# Allegro board SDHCalFEB.brd (continued)
## Nets (continued)
GEM_OUT_H11: P1.J30 R594.1 R1663.2
GEM_OUT_H12: P1.K30 R595.1 R1706.2
GEM_OUT_H15: P1.L30 R598.1 R1720.2
GEM_OUT_H18: P1.L29 R601.1 R1718.2
GEM_OUT_H21: P1.L28 R604.1 R1687.2
GEM_OUT_H22: P1.L27 R605.1 R1684.2
GEM_OUT_H23: P1.L26 R606.1 R1681.2
GEM_OUT_H24: P1.L25 R607.1 R1703.2
GEM_OUT_H25: P1.M28 R608.1 R1736.2
GEM_OUT_H26: P1.M30 R609.1 R1744.2
GEM_OUT_H27: P1.M27 R610.1 R1732.2
GEM_OUT_H28: P1.M26 R611.1 R1728.2
GEM_OUT_H29: P1.M25 R612.1 R1724.2
GEM_OUT_H31: P1.M29 R614.1 R1740.2
GEM_OUT_H34: P1.N30 R617.1 R1768.2
GEM_OUT_H36: P1.N29 R619.1 R1764.2
GEM_OUT_H37: P1.N25 R620.1 R1748.2
GEM_OUT_H38: P1.N26 R621.1 R1752.2
GEM_OUT_H39: P1.N27 R622.1 R1756.2
GEM_OUT_H40: P1.N28 R623.1 R1760.2
GEM_OUT_H42: P1.P29 R625.1 R1788.2
GEM_OUT_H45: P1.P28 R628.1 R1784.2
GEM_OUT_H47: P1.P25 R630.1 R1772.2
GEM_OUT_H48: P1.P26 R631.1 R1776.2
GEM_OUT_H49: P1.P27 R632.1 R1780.2
GEM_OUT_H50: P1.P30 R633.1 R1792.2
GEM_OUT_H53: P1.Q30 R636.1 R1816.2
GEM_OUT_H54: P1.R30 R637.1 R1840.2
GEM_OUT_H55: P1.R29 R638.1 R1836.2
GEM_OUT_H56: P1.Q29 R639.1 R1812.2
GEM_OUT_H57: P1.R28 R640.1 R1832.2
GEM_OUT_H58: P1.R27 R641.1 R1828.2
GEM_OUT_H59: P1.R26 R642.1 R1824.2
GEM_OUT_H60: P1.R25 R643.1 R1820.2
GEM_OUT_H61: P1.Q25 R644.1 R1796.2
GEM_OUT_H62: P1.Q26 R645.1 R1800.2
GEM_OUT_H63: P1.Q27 R646.1 R1804.2
GEM_OUT_H64: P1.Q28 R647.1 R1808.2
GEM_OUT_I1: P1.T1 R667.1 R1919.2
GEM_OUT_I2: P1.S1 R668.1 R1912.2
GEM_OUT_I3: P1.T2 R669.1 R1957.2
GEM_OUT_I4: P1.S2 R670.1 R1936.2
GEM_OUT_I5: P1.T3 R671.1 R1958.2
GEM_OUT_I6: R672.1 R2168.1
GEM_OUT_I7: P1.T4 R673.1 R1961.2
GEM_OUT_I8: P1.S4 R674.1 R1914.2
GEM_OUT_I9: P1.T5 R675.1 R1965.2
GEM_OUT_I10: P1.S5 R676.1 R1945.2
GEM_OUT_I11: P1.S6 R677.1 R1947.2
GEM_OUT_I12: P1.T6 R678.1 R1926.2
GEM_OUT_I13: P1.S7 R679.1 R1949.2
GEM_OUT_I14: P1.S8 R680.1 R1952.2
GEM_OUT_I15: P1.U6 R681.1 R1996.2
GEM_OUT_I16: P1.T7 R682.1 R1927.2
GEM_OUT_I17: P1.T8 R683.1 R1973.2
GEM_OUT_I18: P1.U5 R684.1 R1992.2
GEM_OUT_I19: P1.U7 R685.1 R2000.2
GEM_OUT_I20: P1.U8 R686.1 R2004.2
GEM_OUT_I21: P1.U4 R687.1 R1988.2
GEM_OUT_I22: P1.U3 R688.1 R1984.2
GEM_OUT_I23: P1.U2 R689.1 R1933.2
GEM_OUT_I24: P1.U1 R690.1 R1974.2
GEM_OUT_I25: P1.V5 R691.1 R2024.2
GEM_OUT_I26: P1.V6 R692.1 R2028.2
GEM_OUT_I27: P1.V3 R693.1 R2016.2
GEM_OUT_I28: P1.V2 R694.1 R2012.2
GEM_OUT_I29: P1.V1 R695.1 R2008.2
GEM_OUT_I30: P1.V7 R696.1 R2032.2
GEM_OUT_I31: P1.V4 R697.1 R2020.2
GEM_OUT_I32: P1.V8 R698.1 R2036.2
GEM_OUT_I33: P1.W8 R699.1 R2068.2
GEM_OUT_I34: P1.W5 R700.1 R2056.2
GEM_OUT_I35: P1.W7 R701.1 R2064.2
GEM_OUT_I36: P1.W4 R702.1 R2052.2
GEM_OUT_I37: P1.W1 R703.1 R2040.2
GEM_OUT_I38: P1.W2 R704.1 R2044.2
GEM_OUT_I39: P1.W3 R705.1 R2048.2
GEM_OUT_I40: P1.W6 R706.1 R2060.2
GEM_OUT_I41: P1.Y8 R707.1 R2100.2
GEM_OUT_I42: P1.Y5 R708.1 R2088.2
GEM_OUT_I43: P1.Z8 R709.1 R2131.2
GEM_OUT_I44: P1.Y7 R710.1 R2096.2
GEM_OUT_I45: P1.Y4 R711.1 R2084.2
GEM_OUT_I46: P1.Z7 R712.1 R2127.2
GEM_OUT_I47: P1.Y1 R713.1 R2072.2
GEM_OUT_I48: P1.Y2 R714.1 R2076.2
GEM_OUT_I49: P1.Y3 R715.1 R2080.2
GEM_OUT_I50: P1.Y6 R716.1 R2092.2
GEM_OUT_I51: P1.AA8 R717.1 R2163.2
GEM_OUT_I52: P1.AA7 R718.1 R2159.2
GEM_OUT_I53: P1.Z6 R719.1 R2123.2
GEM_OUT_I54: P1.AA6 R720.1 R2155.2
GEM_OUT_I55: P1.AA5 R721.1 R2151.2
GEM_OUT_I56: P1.Z5 R722.1 R2119.2
GEM_OUT_I57: P1.AA4 R723.1 R2147.2
GEM_OUT_I58: P1.AA3 R724.1 R2143.2
GEM_OUT_I59: P1.AA2 R725.1 R2139.2
GEM_OUT_I60: P1.AA1 R726.1 R2135.2
GEM_OUT_I61: P1.Z1 R727.1 R2104.2
GEM_OUT_I62: P1.Z2 R728.1 R2107.2
GEM_OUT_I63: P1.Z3 R729.1 R2111.2
GEM_OUT_I64: P1.Z4 R730.1 R2115.2
GEM_OUT_J1: P1.T9 R751.1 R1920.2
GEM_OUT_J2: P1.S9 R752.1 R1913.2
GEM_OUT_J3: P1.T10 R753.1 R1976.2
GEM_OUT_J4: P1.S10 R754.1 R1937.2
GEM_OUT_J5: P1.T11 R755.1 R1959.2
GEM_OUT_J6: R756.1 R2169.1
GEM_OUT_J7: P1.T12 R757.1 R1962.2
GEM_OUT_J8: P1.S12 R758.1 R1924.2
GEM_OUT_J9: P1.T13 R759.1 R1966.2
GEM_OUT_J10: P1.S13 R760.1 R1915.2
GEM_OUT_J11: P1.S14 R761.1 R1975.2
GEM_OUT_J12: P1.T14 R762.1 R1969.2
GEM_OUT_J13: P1.S15 R763.1 R1950.2
GEM_OUT_J14: P1.S16 R764.1 R1953.2
GEM_OUT_J15: P1.U14 R765.1 R1997.2
GEM_OUT_J16: P1.T15 R766.1 R1928.2
GEM_OUT_J17: P1.T16 R767.1 R1930.2
GEM_OUT_J18: P1.U13 R768.1 R1993.2
GEM_OUT_J19: P1.U15 R769.1 R2001.2
GEM_OUT_J20: P1.U16 R770.1 R2005.2
GEM_OUT_J21: P1.U12 R771.1 R1989.2
GEM_OUT_J22: P1.U11 R772.1 R1985.2
GEM_OUT_J23: P1.U10 R773.1 R1981.2
GEM_OUT_J24: P1.U9 R774.1 R1978.2
GEM_OUT_J25: P1.V13 R775.1 R2025.2
GEM_OUT_J26: P1.V14 R776.1 R2029.2
GEM_OUT_J27: P1.V11 R777.1 R2017.2
GEM_OUT_J28: P1.V10 R778.1 R2013.2
GEM_OUT_J29: P1.V9 R779.1 R2009.2
GEM_OUT_J30: P1.V15 R780.1 R2033.2
GEM_OUT_J31: P1.V12 R781.1 R2021.2
GEM_OUT_J32: P1.V16 R782.1 R2037.2
GEM_OUT_J33: P1.W16 R783.1 R2069.2
GEM_OUT_J34: P1.W13 R784.1 R2057.2
GEM_OUT_J35: P1.W15 R785.1 R2065.2
GEM_OUT_J36: P1.W12 R786.1 R2053.2
GEM_OUT_J37: P1.W9 R787.1 R2041.2
GEM_OUT_J38: P1.W10 R788.1 R2045.2
GEM_OUT_J39: P1.W11 R789.1 R2049.2
GEM_OUT_J40: P1.W14 R790.1 R2061.2
GEM_OUT_J41: P1.Y16 R791.1 R2101.2
GEM_OUT_J42: P1.Y13 R792.1 R2089.2
GEM_OUT_J43: P1.Z16 R793.1 R2132.2
GEM_OUT_J44: P1.Y15 R794.1 R2097.2
GEM_OUT_J45: P1.Y12 R795.1 R2085.2
GEM_OUT_J46: P1.Z15 R796.1 R2128.2
GEM_OUT_J47: P1.Y9 R797.1 R2073.2
GEM_OUT_J48: P1.Y10 R798.1 R2077.2
GEM_OUT_J49: P1.Y11 R799.1 R2081.2
GEM_OUT_J50: P1.Y14 R800.1 R2093.2
GEM_OUT_J51: P1.AA16 R801.1 R2164.2
GEM_OUT_J52: P1.AA15 R802.1 R2160.2
GEM_OUT_J53: P1.Z14 R803.1 R2124.2
GEM_OUT_J54: P1.AA14 R804.1 R2156.2
GEM_OUT_J55: P1.AA13 R805.1 R2152.2
GEM_OUT_J56: P1.Z13 R806.1 R2120.2
GEM_OUT_J57: P1.AA12 R807.1 R2148.2
GEM_OUT_J58: P1.AA11 R808.1 R2144.2
GEM_OUT_J59: P1.AA10 R809.1 R2140.2
GEM_OUT_J60: P1.AA9 R810.1 R2136.2
GEM_OUT_J61: P1.Z9 R811.1 R2105.2
GEM_OUT_J62: P1.Z10 R812.1 R2108.2
GEM_OUT_J63: P1.Z11 R813.1 R2112.2
GEM_OUT_J64: P1.Z12 R814.1 R2116.2
GEM_OUT_K1: P1.T17 R834.1 R1956.2
GEM_OUT_K2: P1.S17 R835.1 R1934.2
GEM_OUT_K3: P1.T18 R836.1 R1922.2
GEM_OUT_K4: P1.S18 R837.1 R1938.2
GEM_OUT_K5: P1.T19 R838.1 R1923.2
GEM_OUT_K6: R839.1 R2170.1
GEM_OUT_K7: P1.T20 R840.1 R1963.2
GEM_OUT_K8: P1.S20 R841.1 R1944.2
GEM_OUT_K9: P1.T21 R842.1 R1967.2
GEM_OUT_K10: P1.S21 R843.1 R1946.2
GEM_OUT_K11: P1.S22 R844.1 R1917.2
GEM_OUT_K12: P1.T22 R845.1 R1970.2
GEM_OUT_K13: P1.S23 R846.1 R1918.2
GEM_OUT_K14: P1.S24 R847.1 R1954.2
GEM_OUT_K15: P1.U22 R848.1 R1998.2
GEM_OUT_K16: P1.T23 R849.1 R1972.2
GEM_OUT_K17: P1.T24 R850.1 R1931.2
GEM_OUT_K18: P1.U21 R851.1 R1994.2
GEM_OUT_K19: P1.U23 R852.1 R2002.2
GEM_OUT_K20: P1.U24 R853.1 R2006.2
GEM_OUT_K21: P1.U20 R854.1 R1990.2
GEM_OUT_K22: P1.U19 R855.1 R1986.2
GEM_OUT_K23: P1.U18 R856.1 R1982.2
GEM_OUT_K24: P1.U17 R857.1 R1979.2
GEM_OUT_K25: P1.V21 R858.1 R2026.2
GEM_OUT_K26: P1.V22 R859.1 R2030.2
GEM_OUT_K27: P1.V19 R860.1 R2018.2
GEM_OUT_K28: P1.V18 R861.1 R2014.2
GEM_OUT_K29: P1.V17 R862.1 R2010.2
GEM_OUT_K30: P1.V23 R863.1 R2034.2
GEM_OUT_K31: P1.V20 R864.1 R2022.2
GEM_OUT_K32: P1.V24 R865.1 R2038.2
GEM_OUT_K33: P1.W24 R866.1 R2070.2
GEM_OUT_K34: P1.W21 R867.1 R2058.2
GEM_OUT_K35: P1.W23 R868.1 R2066.2
GEM_OUT_K36: P1.W20 R869.1 R2054.2
GEM_OUT_K37: P1.W17 R870.1 R2042.2
GEM_OUT_K38: P1.W18 R871.1 R2046.2
GEM_OUT_K39: P1.W19 R872.1 R2050.2
GEM_OUT_K40: P1.W22 R873.1 R2062.2
GEM_OUT_K41: P1.Y24 R874.1 R2102.2
GEM_OUT_K42: P1.Y21 R875.1 R2090.2
GEM_OUT_K43: P1.Z24 R876.1 R2133.2
GEM_OUT_K44: P1.Y23 R877.1 R2098.2
GEM_OUT_K45: P1.Y20 R878.1 R2086.2
GEM_OUT_K46: P1.Z23 R879.1 R2129.2
GEM_OUT_K47: P1.Y17 R880.1 R2074.2
GEM_OUT_K48: P1.Y18 R881.1 R2078.2
GEM_OUT_K49: P1.Y19 R882.1 R2082.2
GEM_OUT_K50: P1.Y22 R883.1 R2094.2
GEM_OUT_K51: P1.AA24 R884.1 R2165.2
GEM_OUT_K52: P1.AA23 R885.1 R2161.2
GEM_OUT_K53: P1.Z22 R886.1 R2125.2
GEM_OUT_K54: P1.AA22 R887.1 R2157.2
GEM_OUT_K55: P1.AA21 R888.1 R2153.2
GEM_OUT_K56: P1.Z21 R889.1 R2121.2
GEM_OUT_K57: P1.AA20 R890.1 R2149.2
GEM_OUT_K58: P1.AA19 R891.1 R2145.2
GEM_OUT_K59: P1.AA18 R892.1 R2141.2
GEM_OUT_K60: P1.AA17 R893.1 R2137.2
GEM_OUT_K61: P1.Z17 R894.1 R2106.2
GEM_OUT_K62: P1.Z18 R895.1 R2109.2
GEM_OUT_K63: P1.Z19 R896.1 R2113.2
GEM_OUT_K64: P1.Z20 R897.1 R2117.2
GEM_OUT_L1: P1.T25 R917.1 R1951.2
GEM_OUT_L2: P1.S25 R918.1 R1935.2
GEM_OUT_L3: P1.T26 R919.1 R1955.2
GEM_OUT_L4: P1.S26 R920.1 R1939.2
GEM_OUT_L5: P1.T27 R921.1 R1921.2
GEM_OUT_L6: R922.1 R2171.1
GEM_OUT_L7: P1.T28 R923.1 R1977.2
GEM_OUT_L8: P1.S28 R924.1 R1925.2
GEM_OUT_L9: P1.T29 R925.1 R1960.2
GEM_OUT_L10: P1.S29 R926.1 R1916.2
GEM_OUT_L11: P1.S30 R927.1 R1948.2
GEM_OUT_L12: P1.T30 R928.1 R1964.2
GEM_OUT_L15: P1.U30 R931.1 R1983.2
GEM_OUT_L18: P1.U29 R934.1 R1980.2
GEM_OUT_L21: P1.U28 R937.1 R1932.2
GEM_OUT_L22: P1.U27 R938.1 R1929.2
GEM_OUT_L23: P1.U26 R939.1 R1971.2
GEM_OUT_L24: P1.U25 R940.1 R1968.2
GEM_OUT_L25: P1.V28 R941.1 R1999.2
GEM_OUT_L26: P1.V30 R942.1 R2007.2
GEM_OUT_L27: P1.V27 R943.1 R1995.2
GEM_OUT_L28: P1.V26 R944.1 R1991.2
GEM_OUT_L29: P1.V25 R945.1 R1987.2
GEM_OUT_L31: P1.V29 R947.1 R2003.2
GEM_OUT_L34: P1.W30 R950.1 R2031.2
GEM_OUT_L36: P1.W29 R952.1 R2027.2
GEM_OUT_L37: P1.W25 R953.1 R2011.2
GEM_OUT_L38: P1.W26 R954.1 R2015.2
GEM_OUT_L39: P1.W27 R955.1 R2019.2
GEM_OUT_L40: P1.W28 R956.1 R2023.2
GEM_OUT_L42: P1.Y29 R958.1 R2051.2
GEM_OUT_L45: P1.Y28 R961.1 R2047.2
GEM_OUT_L47: P1.Y25 R963.1 R2035.2
GEM_OUT_L48: P1.Y26 R964.1 R2039.2
GEM_OUT_L49: P1.Y27 R965.1 R2043.2
GEM_OUT_L50: P1.Y30 R966.1 R2055.2
GEM_OUT_L53: P1.Z30 R969.1 R2079.2
GEM_OUT_L54: P1.AA30 R970.1 R2103.2
GEM_OUT_L55: P1.AA29 R971.1 R2099.2
GEM_OUT_L56: P1.Z29 R972.1 R2075.2
GEM_OUT_L57: P1.AA28 R973.1 R2095.2
GEM_OUT_L58: P1.AA27 R974.1 R2091.2
GEM_OUT_L59: P1.AA26 R975.1 R2087.2
GEM_OUT_L60: P1.AA25 R976.1 R2083.2
GEM_OUT_L61: P1.Z25 R977.1 R2059.2
GEM_OUT_L62: P1.Z26 R978.1 R2063.2
GEM_OUT_L63: P1.Z27 R979.1 R2067.2
GEM_OUT_L64: P1.Z28 R980.1 R2071.2
GEM_OUT_M1: P1.AC1 R1000.1 R2206.2
GEM_OUT_M2: P1.AB1 R1001.1 R2176.2
GEM_OUT_M3: P1.AC2 R1002.1 R2208.2
GEM_OUT_M4: P1.AB2 R1003.1 R2225.2
GEM_OUT_M5: P1.AC3 R1004.1 R2209.2
GEM_OUT_M6: P1.AB3 R1005.1 R2181.2
GEM_OUT_M7: P1.AC4 R1006.1 R2221.2
GEM_OUT_M8: P1.AB4 R1007.1 R2183.2
GEM_OUT_M9: P1.AC5 R1008.1 R2223.2
GEM_OUT_M10: P1.AB5 R1009.1 R2185.2
GEM_OUT_M11: P1.AB6 R1010.1 R2186.2
GEM_OUT_M12: P1.AC6 R1011.1 R2224.2
GEM_OUT_M13: P1.AB7 R1012.1 R2194.2
GEM_OUT_M14: P1.AB8 R1013.1 R2218.2
GEM_OUT_M15: P1.AD6 R1014.1 R2260.2
GEM_OUT_M16: P1.AC7 R1015.1 R2232.2
GEM_OUT_M17: P1.AC8 R1016.1 R2236.2
GEM_OUT_M18: P1.AD5 R1017.1 R2256.2
GEM_OUT_M19: P1.AD7 R1018.1 R2264.2
GEM_OUT_M20: P1.AD8 R1019.1 R2268.2
GEM_OUT_M21: P1.AD4 R1020.1 R2252.2
GEM_OUT_M22: P1.AD3 R1021.1 R2248.2
GEM_OUT_M23: P1.AD2 R1022.1 R2244.2
GEM_OUT_M24: P1.AD1 R1023.1 R2240.2
GEM_OUT_M25: P1.AE5 R1024.1 R2288.2
GEM_OUT_M26: P1.AE6 R1025.1 R2292.2
GEM_OUT_M27: P1.AE3 R1026.1 R2280.2
GEM_OUT_M28: P1.AE2 R1027.1 R2276.2
GEM_OUT_M29: P1.AE1 R1028.1 R2272.2
GEM_OUT_M30: P1.AE7 R1029.1 R2296.2
GEM_OUT_M31: P1.AE4 R1030.1 R2284.2
GEM_OUT_M32: P1.AE8 R1031.1 R2300.2
GEM_OUT_M33: P1.AF8 R1032.1 R2330.2
GEM_OUT_M35: P1.AF7 R1034.1 R2326.2
GEM_OUT_M40: P1.AF6 R1039.1 R2323.2
GEM_OUT_M41: P1.AG8 R1040.1 R2362.2
GEM_OUT_M44: P1.AG7 R1043.1 R2358.2
GEM_OUT_M50: P1.AG6 R1049.1 R2354.2
GEM_OUT_M51: P1.AF5 R1050.1 R2320.2
GEM_OUT_M52: P1.AG5 R1051.1 R2350.2
GEM_OUT_M53: R1052.1 R2484.1
GEM_OUT_M54: P1.AG4 R1053.1 R2346.2
GEM_OUT_M55: P1.AF3 R1054.1 R2312.2
GEM_OUT_M56: P1.AG3 R1055.1 R2342.2
GEM_OUT_M57: P1.AG1 R1056.1 R2334.2
GEM_OUT_M58: P1.AF1 R1057.1 R2304.2
GEM_OUT_M59: P1.AG2 R1058.1 R2338.2
GEM_OUT_M60: P1.AF2 R1059.1 R2308.2
GEM_OUT_N1: P1.AC9 R1084.1 R2196.2
GEM_OUT_N2: P1.AB9 R1085.1 R2177.2
GEM_OUT_N3: P1.AC10 R1086.1 R2197.2
GEM_OUT_N4: P1.AB10 R1087.1 R2213.2
GEM_OUT_N5: P1.AC11 R1088.1 R2198.2
GEM_OUT_N6: P1.AB11 R1089.1 R2214.2
GEM_OUT_N7: P1.AC12 R1090.1 R2210.2
GEM_OUT_N8: P1.AB12 R1091.1 R2226.2
GEM_OUT_N9: P1.AC13 R1092.1 R2211.2
GEM_OUT_N10: P1.AB13 R1093.1 R2227.2
GEM_OUT_N11: P1.AB14 R1094.1 R2228.2
GEM_OUT_N12: P1.AC14 R1095.1 R2212.2
GEM_OUT_N13: P1.AB15 R1096.1 R2187.2
GEM_OUT_N14: P1.AB16 R1097.1 R2204.2
GEM_OUT_N15: P1.AD14 R1098.1 R2261.2
GEM_OUT_N16: P1.AC15 R1099.1 R2233.2
GEM_OUT_N17: P1.AC16 R1100.1 R2237.2
GEM_OUT_N18: P1.AD13 R1101.1 R2257.2
GEM_OUT_N19: P1.AD15 R1102.1 R2265.2
GEM_OUT_N20: P1.AD16 R1103.1 R2269.2
GEM_OUT_N21: P1.AD12 R1104.1 R2253.2
GEM_OUT_N22: P1.AD11 R1105.1 R2249.2
GEM_OUT_N23: P1.AD10 R1106.1 R2245.2
GEM_OUT_N24: P1.AD9 R1107.1 R2241.2
GEM_OUT_N25: P1.AE13 R1108.1 R2289.2
GEM_OUT_N26: P1.AE14 R1109.1 R2293.2
GEM_OUT_N27: P1.AE11 R1110.1 R2281.2
GEM_OUT_N28: P1.AE10 R1111.1 R2277.2
GEM_OUT_N29: P1.AE9 R1112.1 R2273.2
GEM_OUT_N30: P1.AE15 R1113.1 R2297.2
GEM_OUT_N31: P1.AE12 R1114.1 R2285.2
GEM_OUT_N32: P1.AE16 R1115.1 R2301.2
GEM_OUT_N33: P1.AF16 R1116.1 R2331.2
GEM_OUT_N35: P1.AF15 R1118.1 R2327.2
GEM_OUT_N40: P1.AF14 R1123.1 R2324.2
GEM_OUT_N41: P1.AG16 R1124.1 R2363.2
GEM_OUT_N44: P1.AG15 R1127.1 R2359.2
GEM_OUT_N50: P1.AG14 R1133.1 R2355.2
GEM_OUT_N51: P1.AF13 R1134.1 R2321.2
GEM_OUT_N52: P1.AG13 R1135.1 R2351.2
GEM_OUT_N53: R1136.1 R2476.1
GEM_OUT_N54: P1.AG12 R1137.1 R2347.2
GEM_OUT_N55: P1.AF11 R1138.1 R2313.2
GEM_OUT_N56: P1.AG11 R1139.1 R2343.2
GEM_OUT_N57: P1.AG9 R1140.1 R2335.2
GEM_OUT_N58: P1.AF9 R1141.1 R2305.2
GEM_OUT_N59: P1.AG10 R1142.1 R2339.2
GEM_OUT_N60: P1.AF10 R1143.1 R2309.2
GEM_OUT_O1: P1.AC17 R1167.1 R2188.2
GEM_OUT_O2: P1.AB17 R1168.1 R2178.2
GEM_OUT_O3: P1.AC18 R1169.1 R2189.2
GEM_OUT_O4: P1.AB18 R1170.1 R2191.2
GEM_OUT_O5: P1.AC19 R1171.1 R2190.2
GEM_OUT_O6: P1.AB19 R1172.1 R2202.2
GEM_OUT_O7: P1.AC20 R1173.1 R2199.2
GEM_OUT_O8: P1.AB20 R1174.1 R2203.2
GEM_OUT_O9: P1.AC21 R1175.1 R2200.2
GEM_OUT_O10: P1.AB21 R1176.1 R2215.2
GEM_OUT_O11: P1.AB22 R1177.1 R2216.2
GEM_OUT_O12: P1.AC22 R1178.1 R2201.2
GEM_OUT_O13: P1.AB23 R1179.1 R2217.2
GEM_OUT_O14: P1.AB24 R1180.1 R2205.2
GEM_OUT_O15: P1.AD22 R1181.1 R2262.2
GEM_OUT_O16: P1.AC23 R1182.1 R2234.2
GEM_OUT_O17: P1.AC24 R1183.1 R2238.2
GEM_OUT_O18: P1.AD21 R1184.1 R2258.2
GEM_OUT_O19: P1.AD23 R1185.1 R2266.2
GEM_OUT_O20: P1.AD24 R1186.1 R2270.2
GEM_OUT_O21: P1.AD20 R1187.1 R2254.2
GEM_OUT_O22: P1.AD19 R1188.1 R2250.2
GEM_OUT_O23: P1.AD18 R1189.1 R2246.2
GEM_OUT_O24: P1.AD17 R1190.1 R2242.2
GEM_OUT_O25: P1.AE21 R1191.1 R2290.2
GEM_OUT_O26: P1.AE22 R1192.1 R2294.2
GEM_OUT_O27: P1.AE19 R1193.1 R2282.2
GEM_OUT_O28: P1.AE18 R1194.1 R2278.2
GEM_OUT_O29: P1.AE17 R1195.1 R2274.2
GEM_OUT_O30: P1.AE23 R1196.1 R2298.2
GEM_OUT_O31: P1.AE20 R1197.1 R2286.2
GEM_OUT_O32: P1.AE24 R1198.1 R2302.2
GEM_OUT_O33: P1.AF24 R1199.1 R2332.2
GEM_OUT_O35: P1.AF23 R1201.1 R2328.2
GEM_OUT_O40: P1.AF22 R1206.1 R2325.2
GEM_OUT_O41: P1.AG24 R1207.1 R2364.2
GEM_OUT_O44: P1.AG23 R1210.1 R2360.2
GEM_OUT_O50: P1.AG22 R1216.1 R2356.2
GEM_OUT_O51: P1.AF21 R1217.1 R2322.2
GEM_OUT_O52: P1.AG21 R1218.1 R2352.2
GEM_OUT_O53: R1219.1 R2477.1
GEM_OUT_O54: P1.AG20 R1220.1 R2348.2
GEM_OUT_O55: P1.AF19 R1221.1 R2314.2
GEM_OUT_O56: P1.AG19 R1222.1 R2344.2
GEM_OUT_O57: P1.AG17 R1223.1 R2336.2
GEM_OUT_O58: P1.AF17 R1224.1 R2306.2
GEM_OUT_O59: P1.AG18 R1225.1 R2340.2
GEM_OUT_O60: P1.AF18 R1226.1 R2310.2
GEM_OUT_P1: P1.AC25 R1250.1 R2195.2
GEM_OUT_P2: P1.AB25 R1251.1 R2179.2
GEM_OUT_P3: P1.AC26 R1252.1 R2229.2
GEM_OUT_P4: P1.AB26 R1253.1 R2180.2
GEM_OUT_P5: P1.AC27 R1254.1 R2207.2
GEM_OUT_P6: P1.AB27 R1255.1 R2182.2
GEM_OUT_P7: P1.AC28 R1256.1 R2219.2
GEM_OUT_P8: P1.AB28 R1257.1 R2184.2
GEM_OUT_P9: P1.AC29 R1258.1 R2220.2
GEM_OUT_P10: P1.AB29 R1259.1 R2192.2
GEM_OUT_P11: P1.AB30 R1260.1 R2193.2
GEM_OUT_P12: P1.AC30 R1261.1 R2222.2
GEM_OUT_P15: P1.AD30 R1264.1 R2247.2
GEM_OUT_P18: P1.AD29 R1267.1 R2243.2
GEM_OUT_P21: P1.AD28 R1270.1 R2239.2
GEM_OUT_P22: P1.AD27 R1271.1 R2235.2
GEM_OUT_P23: P1.AD26 R1272.1 R2231.2
GEM_OUT_P24: P1.AD25 R1273.1 R2230.2
GEM_OUT_P25: P1.AE28 R1274.1 R2263.2
GEM_OUT_P26: P1.AE30 R1275.1 R2271.2
GEM_OUT_P27: P1.AE27 R1276.1 R2259.2
GEM_OUT_P28: P1.AE26 R1277.1 R2255.2
GEM_OUT_P29: P1.AE25 R1278.1 R2251.2
GEM_OUT_P31: P1.AE29 R1280.1 R2267.2
GEM_OUT_P35: P1.AF30 R1284.1 R2295.2
GEM_OUT_P50: P1.AG30 R1299.1 R2319.2
GEM_OUT_P51: P1.AF29 R1300.1 R2291.2
GEM_OUT_P52: P1.AG29 R1301.1 R2315.2
GEM_OUT_P53: R1302.1 R2595.1
GEM_OUT_P54: P1.AG28 R1303.1 R2311.2
GEM_OUT_P55: P1.AF27 R1304.1 R2283.2
GEM_OUT_P56: P1.AG27 R1305.1 R2307.2
GEM_OUT_P57: P1.AG25 R1306.1 R2299.2
GEM_OUT_P58: P1.AF25 R1307.1 R2275.2
GEM_OUT_P59: P1.AG26 R1308.1 R2303.2
GEM_OUT_P60: P1.AF26 R1309.1 R2279.2
GEM_SIGNAL_A15: P1.A15 R1437.2 R1641.2 R1645.2
GEM_SIGNAL_A23: P1.A23 R1409.2 R1642.2 R1646.2
GEM_SIGNAL_AF4: P1.AF4 R2316.2 R2484.2 R2485.2
GEM_SIGNAL_AF12: P1.AF12 R2317.2 R2476.2 R2480.2
GEM_SIGNAL_AF20: P1.AF20 R2318.2 R2477.2 R2481.2
GEM_SIGNAL_AF28: P1.AF28 R2287.2 R2595.2 R2596.2
GEM_SIGNAL_B4: P1.B4 R1444.2 R1640.2 R1644.2
GEM_SIGNAL_D28: P1.D28 R1476.2 R1643.2 R1647.2
GEM_SIGNAL_J2: P1.J2 R1649.2 R1904.2 R1908.2
GEM_SIGNAL_J10: P1.J10 R1653.2 R1905.2 R1909.2
GEM_SIGNAL_J18: P1.J18 R1710.2 R1906.2 R1910.2
GEM_SIGNAL_J26: P1.J26 R1692.2 R1907.2 R1911.2
GEM_SIGNAL_S3: P1.S3 R1940.2 R2168.2 R2172.2
GEM_SIGNAL_S11: P1.S11 R1941.2 R2169.2 R2173.2
GEM_SIGNAL_S19: P1.S19 R1942.2 R2170.2 R2174.2
GEM_SIGNAL_S27: P1.S27 R1943.2 R2171.2 R2175.2
GEM_TEST_A: J40.1 R1644.1
GEM_TEST_B: J41.1 R1645.1
GEM_TEST_C: J42.1 R1646.1
GEM_TEST_D: J43.1 R1647.1
GEM_TEST_E: J44.1 R1908.1
GEM_TEST_F: J45.1 R1909.1
GEM_TEST_G: J46.1 R1910.1
GEM_TEST_H: J47.1 R1911.1
GEM_TEST_I: J48.1 R2172.1
GEM_TEST_J: J49.1 R2173.1
GEM_TEST_K: J50.1 R2174.1
GEM_TEST_L: J51.1 R2175.1
GEM_TEST_M: J52.1 R2485.1
GEM_TEST_N: J53.1 R2480.1
GEM_TEST_O: J54.1 R2481.1
HOLD: J34.B26 U1050.20(A4) U1050.21(A3) U1050.22(A2) U1050.23(A1)
HOLD_A: U65.119(HOLD) U130.119(HOLD) U195.119(HOLD) U260.119(HOLD) U1050.1(Y1)
HOLD_B: U325.119(HOLD) U390.119(HOLD) U455.119(HOLD) U520.119(HOLD) U1050.2(Y2)
HOLD_C: U585.119(HOLD) U650.119(HOLD) U715.119(HOLD) U780.119(HOLD) U1050.3(Y3)
HOLD_D: U845.119(HOLD) U910.119(HOLD) U975.119(HOLD) U1040.119(HOLD) U1050.4(Y4)
IBI_PA_ASIC_A1: C70.2 U65.136(IBI_PA)
IBI_PA_ASIC_A2: C157.2 U130.136(IBI_PA)
IBI_PA_ASIC_A3: C244.2 U195.136(IBI_PA)
IBI_PA_ASIC_A4: C331.2 U260.136(IBI_PA)
IBI_PA_ASIC_B1: C418.2 U325.136(IBI_PA)
IBI_PA_ASIC_B5: C505.2 U390.136(IBI_PA)
IBI_PA_ASIC_B6: C592.2 U455.136(IBI_PA)
IBI_PA_ASIC_B7: C679.2 U520.136(IBI_PA)
IBI_PA_ASIC_C1: C766.2 U585.136(IBI_PA)
IBI_PA_ASIC_C2: C853.2 U650.136(IBI_PA)
IBI_PA_ASIC_C3: C940.2 U715.136(IBI_PA)
IBI_PA_ASIC_C4: C1027.2 U780.136(IBI_PA)
IBI_PA_ASIC_D1: C1114.2 U845.136(IBI_PA)
IBI_PA_ASIC_D2: C1201.2 U910.136(IBI_PA)
IBI_PA_ASIC_D3: C1288.2 U975.136(IBI_PA)
IBI_PA_ASIC_D4: C1375.2 U1040.136(IBI_PA)
IREF_DAC_ASIC_A1: R67.1 U65.73(IREF_DAC)
IREF_DAC_ASIC_A2: R151.1 U130.73(IREF_DAC)
IREF_DAC_ASIC_A3: R234.1 U195.73(IREF_DAC)
IREF_DAC_ASIC_A4: R317.1 U260.73(IREF_DAC)
IREF_DAC_ASIC_B1: R400.1 U325.73(IREF_DAC)
IREF_DAC_ASIC_B5: R484.1 U390.73(IREF_DAC)
IREF_DAC_ASIC_B6: R567.1 U455.73(IREF_DAC)
IREF_DAC_ASIC_B7: R650.1 U520.73(IREF_DAC)
IREF_DAC_ASIC_C1: R733.1 U585.73(IREF_DAC)
IREF_DAC_ASIC_C2: R817.1 U650.73(IREF_DAC)
IREF_DAC_ASIC_C3: R900.1 U715.73(IREF_DAC)
IREF_DAC_ASIC_C4: R983.1 U780.73(IREF_DAC)
IREF_DAC_ASIC_D1: R1066.1 U845.73(IREF_DAC)
IREF_DAC_ASIC_D2: R1150.1 U910.73(IREF_DAC)
IREF_DAC_ASIC_D3: R1233.1 U975.73(IREF_DAC)
IREF_DAC_ASIC_D4: R1316.1 U1040.73(IREF_DAC)
N271553_ASIC_A1: R65.2 R66.2 U65.146(IN<0>)
N271553_ASIC_A2: R149.2 R150.2 U130.146(IN<0>)
N271553_ASIC_A3: R232.2 R233.2 U195.146(IN<0>)
N271553_ASIC_A4: R315.2 R316.2 U260.146(IN<0>)
N271553_ASIC_B1: R398.2 R399.2 U325.146(IN<0>)
N271553_ASIC_B5: R482.2 R483.2 U390.146(IN<0>)
N271553_ASIC_B6: R565.2 R566.2 U455.146(IN<0>)
N271553_ASIC_B7: R648.2 R649.2 U520.146(IN<0>)
N271553_ASIC_C1: R731.2 R732.2 U585.146(IN<0>)
N271553_ASIC_C2: R815.2 R816.2 U650.146(IN<0>)
N271553_ASIC_C3: R898.2 R899.2 U715.146(IN<0>)
N271553_ASIC_C4: R981.2 R982.2 U780.146(IN<0>)
N271553_ASIC_D1: R1064.2 R1065.2 U845.146(IN<0>)
N271553_ASIC_D2: R1148.2 R1149.2 U910.146(IN<0>)
N271553_ASIC_D3: R1231.2 R1232.2 U975.146(IN<0>)
N271553_ASIC_D4: R1314.2 R1315.2 U1040.146(IN<0>)
N271605_ASIC_A1: C65.2 R66.1
N271605_ASIC_A2: C152.2 R150.1
N271605_ASIC_A3: C239.2 R233.1
N271605_ASIC_A4: C326.2 R316.1
N271605_ASIC_B1: C413.2 R399.1
N271605_ASIC_B5: C500.2 R483.1
N271605_ASIC_B6: C587.2 R566.1
N271605_ASIC_B7: C674.2 R649.1
N271605_ASIC_C1: C761.2 R732.1
N271605_ASIC_C2: C848.2 R816.1
N271605_ASIC_C3: C936.2 R899.1
N271605_ASIC_C4: C1023.2 R982.1
N271605_ASIC_D1: C1110.2 R1065.1
N271605_ASIC_D2: C1196.2 R1149.1
N271605_ASIC_D3: C1283.2 R1232.1
N271605_ASIC_D4: C1370.2 R1315.1
N360973_ASIC_A1: C65.1 C66.2
N360973_ASIC_A2: C152.1 C153.2
N360973_ASIC_A3: C239.1 C240.2
N360973_ASIC_A4: C326.1 C327.2
N360973_ASIC_B1: C413.1 C414.2
N360973_ASIC_B5: C500.1 C501.2
N360973_ASIC_B6: C587.1 C588.2
N360973_ASIC_B7: C674.1 C675.2
N360973_ASIC_C1: C761.1 C762.2
N360973_ASIC_C2: C848.1 C849.2
N360973_ASIC_C3: C935.2 C936.1
N360973_ASIC_C4: C1022.2 C1023.1
N360973_ASIC_D1: C1109.2 C1110.1
N360973_ASIC_D2: C1196.1 C1197.2
N360973_ASIC_D3: C1283.1 C1284.2
N360973_ASIC_D4: C1370.1 C1371.2
OUT_SH_A1: J36.1 U65.128(OUT_SH)
OUT_SH_A2: J37.1 U130.128(OUT_SH)
OUT_SH_A3: J38.1 U195.128(OUT_SH)
OUT_SH_A4: J39.1 U260.128(OUT_SH)
OUT_SH_B1: J59.1 U325.128(OUT_SH)
OUT_SH_B2: J60.1 U390.128(OUT_SH)
OUT_SH_B3: J62.1 U455.128(OUT_SH)
OUT_SH_B4: J63.1 U520.128(OUT_SH)
OUT_SH_C1: J61.1 U585.128(OUT_SH)
OUT_SH_C2: J64.1 U650.128(OUT_SH)
OUT_SH_C3: J65.1 U715.128(OUT_SH)
OUT_SH_C4: J66.1 U780.128(OUT_SH)
OUT_SH_D1: J67.1 U845.128(OUT_SH)
OUT_SH_D2: J56.1 U910.128(OUT_SH)
OUT_SH_D3: J57.1 U975.128(OUT_SH)
OUT_SH_D4: J58.1 U1040.128(OUT_SH)
OUT_T&H: J35.A23 U1073.8(D)
OUT_T&H_A: U1058.8(D) U1073.2(S1)
OUT_T&H_A1: U65.129(OUT_T&H) U1078.3(+IN)
OUT_T&H_A2: U130.129(OUT_T&H) U1078.5(+IN)
OUT_T&H_A3: U195.129(OUT_T&H) U1078.10(+IN)
OUT_T&H_A4: U260.129(OUT_T&H) U1078.12(+IN)
OUT_T&H_B: U1062.8(D) U1073.9(S2)
OUT_T&H_B1: U325.129(OUT_T&H) U1079.3(+IN)
OUT_T&H_B2: U390.129(OUT_T&H) U1079.5(+IN)
OUT_T&H_B3: U455.129(OUT_T&H) U1079.10(+IN)
OUT_T&H_B4: U520.129(OUT_T&H) U1079.12(+IN)
OUT_T&H_C: U1065.8(D) U1073.4(S3)
OUT_T&H_C1: U585.129(OUT_T&H) U1080.3(+IN)
OUT_T&H_C2: U650.129(OUT_T&H) U1080.5(+IN)
OUT_T&H_C3: U715.129(OUT_T&H) U1080.10(+IN)
OUT_T&H_C4: U780.129(OUT_T&H) U1080.12(+IN)
OUT_T&H_D: U1069.8(D) U1073.7(S4)
OUT_T&H_D1: U845.129(OUT_T&H) U1081.3(+IN)
OUT_T&H_D2: U910.129(OUT_T&H) U1081.5(+IN)
OUT_T&H_D3: U975.129(OUT_T&H) U1081.10(+IN)
OUT_T&H_D4: U1040.129(OUT_T&H) U1081.12(+IN)
OUT_TRIG0B: J35.A31 U1061.8(D)
OUT_TRIG0B_A: R79.2 U65.85(OUT_TRIG0B) U130.85(OUT_TRIG0B) U195.85(OUT_TRIG0B) U260.85(OUT_TRIG0B) U1060.1(1A) U1061.4(S1)
OUT_TRIG0B_A&B: U1060.3(1Y) U1061.12(S5) U1082.1(1A)
OUT_TRIG0B_A&B&C&D: U1061.9(S8) U1082.3(1Y)
OUT_TRIG0B_B: R412.2 U325.85(OUT_TRIG0B) U390.85(OUT_TRIG0B) U455.85(OUT_TRIG0B) U520.85(OUT_TRIG0B) U1060.2(1B) U1060.4(2A) U1061.5(S2)
OUT_TRIG0B_B&C: U1060.6(2Y) U1061.11(S6)
OUT_TRIG0B_C: R745.2 U585.85(OUT_TRIG0B) U650.85(OUT_TRIG0B) U715.85(OUT_TRIG0B) U780.85(OUT_TRIG0B) U1060.5(2B) U1060.9(3A) U1061.6(S3)
OUT_TRIG0B_C&D: U1060.8(3Y) U1061.10(S7) U1082.2(1B)
OUT_TRIG0B_D: R1078.2 U845.85(OUT_TRIG0B) U910.85(OUT_TRIG0B) U975.85(OUT_TRIG0B) U1040.85(OUT_TRIG0B) U1060.10(3B) U1061.7(S4)
OUT_TRIG1B: J35.B32 U1067.8(D)
OUT_TRIG1B_A: R78.1 U65.84(OUT_TRIG1B) U130.84(OUT_TRIG1B) U195.84(OUT_TRIG1B) U260.84(OUT_TRIG1B) U1064.1(1A) U1067.4(S1)
OUT_TRIG1B_A&B: U1064.3(1Y) U1067.12(S5) U1082.4(2A)
OUT_TRIG1B_A&B&C&D: U1067.9(S8) U1082.6(2Y)
OUT_TRIG1B_B: R411.1 U325.84(OUT_TRIG1B) U390.84(OUT_TRIG1B) U455.84(OUT_TRIG1B) U520.84(OUT_TRIG1B) U1064.2(1B) U1064.4(2A) U1067.5(S2)
OUT_TRIG1B_B&C: U1064.6(2Y) U1067.11(S6)
OUT_TRIG1B_C: R744.1 U585.84(OUT_TRIG1B) U650.84(OUT_TRIG1B) U715.84(OUT_TRIG1B) U780.84(OUT_TRIG1B) U1064.5(2B) U1064.9(3A) U1067.6(S3)
OUT_TRIG1B_C&D: U1064.8(3Y) U1067.10(S7) U1082.5(2B)
OUT_TRIG1B_D: R1077.1 U845.84(OUT_TRIG1B) U910.84(OUT_TRIG1B) U975.84(OUT_TRIG1B) U1040.84(OUT_TRIG1B) U1064.10(3B) U1067.7(S4)
OUT_TRIG2B: J35.A33 U1071.8(D)
OUT_TRIG2B_A: R77.2 U65.83(OUT_TRIG2B) U130.83(OUT_TRIG2B) U195.83(OUT_TRIG2B) U260.83(OUT_TRIG2B) U1068.1(1A) U1071.4(S1)
OUT_TRIG2B_A&B: U1068.3(1Y) U1071.12(S5) U1082.10(3B)
OUT_TRIG2B_A&B&C&D: U1071.9(S8) U1082.8(3Y)
OUT_TRIG2B_B: R410.2 U325.83(OUT_TRIG2B) U390.83(OUT_TRIG2B) U455.83(OUT_TRIG2B) U520.83(OUT_TRIG2B) U1068.2(1B) U1068.4(2A) U1071.5(S2)
OUT_TRIG2B_B&C: U1068.6(2Y) U1071.11(S6)
OUT_TRIG2B_C: R743.2 U585.83(OUT_TRIG2B) U650.83(OUT_TRIG2B) U715.83(OUT_TRIG2B) U780.83(OUT_TRIG2B) U1068.5(2B) U1068.9(3A) U1071.6(S3)
OUT_TRIG2B_C&D: U1068.8(3Y) U1071.10(S7) U1082.9(3A)
OUT_TRIG2B_D: R1076.2 U845.83(OUT_TRIG2B) U910.83(OUT_TRIG2B) U975.83(OUT_TRIG2B) U1040.83(OUT_TRIG2B) U1068.10(3B) U1071.7(S4)
PWR_ON_A: J33.B36 U1052.14(A4) U1052.15(A3) U1052.16(A2) U1052.17(A1)
PWR_ON_A_A: U65.89(PWR_ON_A) U130.89(PWR_ON_A) U195.89(PWR_ON_A) U260.89(PWR_ON_A) U1052.9(Y1)
PWR_ON_A_B: U325.89(PWR_ON_A) U390.89(PWR_ON_A) U455.89(PWR_ON_A) U520.89(PWR_ON_A) U1052.10(Y2)
PWR_ON_A_C: U585.89(PWR_ON_A) U650.89(PWR_ON_A) U715.89(PWR_ON_A) U780.89(PWR_ON_A) U1052.11(Y3)
PWR_ON_A_D: U845.89(PWR_ON_A) U910.89(PWR_ON_A) U975.89(PWR_ON_A) U1040.89(PWR_ON_A) U1052.12(Y4)
PWR_ON_ADC: J33.A35 U1053.20(A4) U1053.21(A3) U1053.22(A2) U1053.23(A1)
PWR_ON_ADC_A: U65.88(PWR_ON_ADC) U130.88(PWR_ON_ADC) U195.88(PWR_ON_ADC) U260.88(PWR_ON_ADC) U1053.1(Y1)
PWR_ON_ADC_B: U325.88(PWR_ON_ADC) U390.88(PWR_ON_ADC) U455.88(PWR_ON_ADC) U520.88(PWR_ON_ADC) U1053.2(Y2)
PWR_ON_ADC_C: U585.88(PWR_ON_ADC) U650.88(PWR_ON_ADC) U715.88(PWR_ON_ADC) U780.88(PWR_ON_ADC) U1053.3(Y3)
PWR_ON_ADC_D: U845.88(PWR_ON_ADC) U910.88(PWR_ON_ADC) U975.88(PWR_ON_ADC) U1040.88(PWR_ON_ADC) U1053.4(Y4)
PWR_ON_D: J33.A37 U1052.20(A4) U1052.21(A3) U1052.22(A2) U1052.23(A1)
PWR_ON_D_A: U65.90(PWR_ON_D) U130.90(PWR_ON_D) U195.90(PWR_ON_D) U260.90(PWR_ON_D) U1052.1(Y1)
PWR_ON_D_B: U325.90(PWR_ON_D) U390.90(PWR_ON_D) U455.90(PWR_ON_D) U520.90(PWR_ON_D) U1052.2(Y2)
PWR_ON_D_C: U585.90(PWR_ON_D) U650.90(PWR_ON_D) U715.90(PWR_ON_D) U780.90(PWR_ON_D) U1052.3(Y3)
PWR_ON_D_D: U845.90(PWR_ON_D) U910.90(PWR_ON_D) U975.90(PWR_ON_D) U1040.90(PWR_ON_D) U1052.4(Y4)
PWR_ON_DAC: J33.B34 U1053.14(A4) U1053.15(A3) U1053.16(A2) U1053.17(A1)
PWR_ON_DAC_A: U65.87(PWR_ON_DAC) U130.87(PWR_ON_DAC) U195.87(PWR_ON_DAC) U260.87(PWR_ON_DAC) U1053.9(Y1)
PWR_ON_DAC_B: U325.87(PWR_ON_DAC) U390.87(PWR_ON_DAC) U455.87(PWR_ON_DAC) U520.87(PWR_ON_DAC) U1053.10(Y2)
PWR_ON_DAC_C: U585.87(PWR_ON_DAC) U650.87(PWR_ON_DAC) U715.87(PWR_ON_DAC) U780.87(PWR_ON_DAC) U1053.11(Y3)
PWR_ON_DAC_D: U845.87(PWR_ON_DAC) U910.87(PWR_ON_DAC) U975.87(PWR_ON_DAC) U1040.87(PWR_ON_DAC) U1053.12(Y4)
RAZ_CHNN: J34.A4 U1056.7(DI-)
RAZ_CHNN_A: R323.2 R2603.1 U65.96(RAZ_CHNN) U130.96(RAZ_CHNN) U195.96(RAZ_CHNN) U260.96(RAZ_CHNN)
RAZ_CHNN_B: R656.2 R2611.1 U325.96(RAZ_CHNN) U390.96(RAZ_CHNN) U455.96(RAZ_CHNN) U520.96(RAZ_CHNN)
RAZ_CHNN_C: R989.2 R2619.1 U585.96(RAZ_CHNN) U650.96(RAZ_CHNN) U715.96(RAZ_CHNN) U780.96(RAZ_CHNN)
RAZ_CHNN_D: R1322.2 R2627.1 U845.96(RAZ_CHNN) U910.96(RAZ_CHNN) U975.96(RAZ_CHNN) U1040.96(RAZ_CHNN)
RAZ_CHNP: J34.A3 U1056.6(DI+)
RAZ_CHNP_A: R323.1 R2604.1 U65.95(RAZ_CHNP) U130.95(RAZ_CHNP) U195.95(RAZ_CHNP) U260.95(RAZ_CHNP)
RAZ_CHNP_B: R656.1 R2612.1 U325.95(RAZ_CHNP) U390.95(RAZ_CHNP) U455.95(RAZ_CHNP) U520.95(RAZ_CHNP)
RAZ_CHNP_C: R989.1 R2620.1 U585.95(RAZ_CHNP) U650.95(RAZ_CHNP) U715.95(RAZ_CHNP) U780.95(RAZ_CHNP)
RAZ_CHNP_D: R1322.1 R2628.1 U845.95(RAZ_CHNP) U910.95(RAZ_CHNP) U975.95(RAZ_CHNP) U1040.95(RAZ_CHNP)
READOUT1_A1TOA2: TP4.1 TP14.1 U65.112(END_READOUT1) U130.110(START_READOUT1)
READOUT1_A2TOA3: TP15.1 TP23.1 U130.112(END_READOUT1) U195.110(START_READOUT1)
READOUT1_A3TOA4: TP24.1 TP34.1 U195.112(END_READOUT1) U260.110(START_READOUT1)
READOUT1_B1TOB2: TP46.1 TP56.1 U325.112(END_READOUT1) U390.110(START_READOUT1)
READOUT1_B2TOB3: TP57.1 TP67.1 U390.112(END_READOUT1) U455.110(START_READOUT1)
READOUT1_B3TOB4: TP68.1 TP78.1 U455.112(END_READOUT1) U520.110(START_READOUT1)
READOUT1_C1TOC2: TP90.1 TP100.1 U585.112(END_READOUT1) U650.110(START_READOUT1)
READOUT1_C2TOC3: TP101.1 TP111.1 U650.112(END_READOUT1) U715.110(START_READOUT1)
READOUT1_C3TOC4: TP112.1 TP124.1 U715.112(END_READOUT1) U780.110(START_READOUT1)
READOUT1_D1TOD2: TP136.1 TP144.1 U845.112(END_READOUT1) U910.110(START_READOUT1)
READOUT1_D2TOD3: TP145.1 TP155.1 U910.112(END_READOUT1) U975.110(START_READOUT1)
READOUT1_D3TOD4: TP156.1 TP168.1 U975.112(END_READOUT1) U1040.110(START_READOUT1)
READOUT2_A1TOA2: U65.113(END_READOUT2) U130.111(START_READOUT2)
READOUT2_A2TOA3: U130.113(END_READOUT2) U195.111(START_READOUT2)
READOUT2_A3TOA4: U195.113(END_READOUT2) U260.111(START_READOUT2)
READOUT2_B1TOB2: U325.113(END_READOUT2) U390.111(START_READOUT2)
READOUT2_B2TOB3: U390.113(END_READOUT2) U455.111(START_READOUT2)
READOUT2_B3TOB4: U455.113(END_READOUT2) U520.111(START_READOUT2)
READOUT2_C1TOC2: U585.113(END_READOUT2) U650.111(START_READOUT2)
READOUT2_C2TOC3: U650.113(END_READOUT2) U715.111(START_READOUT2)
READOUT2_C3TOC4: U715.113(END_READOUT2) U780.111(START_READOUT2)
READOUT2_D1TOD2: U845.113(END_READOUT2) U910.111(START_READOUT2)
READOUT2_D2TOD3: U910.113(END_READOUT2) U975.111(START_READOUT2)
READOUT2_D3TOD4: U975.113(END_READOUT2) U1040.111(START_READOUT2)
RESET_B: J34.A23 U1051.14(A4) U1051.15(A3) U1051.16(A2) U1051.17(A1)
RESET_B_A: U65.102(RESETB) U130.102(RESETB) U195.102(RESETB) U260.102(RESETB) U1051.9(Y1)
RESET_B_B: U325.102(RESETB) U390.102(RESETB) U455.102(RESETB) U520.102(RESETB) U1051.10(Y2)
RESET_B_C: U585.102(RESETB) U650.102(RESETB) U715.102(RESETB) U780.102(RESETB) U1051.11(Y3)
RESET_B_D: U845.102(RESETB) U910.102(RESETB) U975.102(RESETB) U1040.102(RESETB) U1051.12(Y4)
ROWSELECT0: J35.B34 R2591.1 U1073.1(A0)
ROWSELECT1: J35.A35 R2590.1 U1073.10(A1)
ROWSELECT2: J35.B36 R2589.1
RST_COUNTERB: J34.A24 U1051.20(A4) U1051.21(A3) U1051.22(A2) U1051.23(A1)
RST_COUNTERB_A: U65.109(RST_COUNTERB) U130.109(RST_COUNTERB) U195.109(RST_COUNTERB) U260.109(RST_COUNTERB) U1051.1(Y1)
RST_COUNTERB_B: U325.109(RST_COUNTERB) U390.109(RST_COUNTERB) U455.109(RST_COUNTERB) U520.109(RST_COUNTERB) U1051.2(Y2)
RST_COUNTERB_C: U585.109(RST_COUNTERB) U650.109(RST_COUNTERB) U715.109(RST_COUNTERB) U780.109(RST_COUNTERB) U1051.3(Y3)
RST_COUNTERB_D: U845.109(RST_COUNTERB) U910.109(RST_COUNTERB) U975.109(RST_COUNTERB) U1040.109(RST_COUNTERB) U1051.4(Y4)
SELECT: J34.B25 U1050.14(A4) U1050.15(A3) U1050.16(A2) U1050.17(A1)
SELECT_A: U65.114(SELECT) U130.114(SELECT) U195.114(SELECT) U260.114(SELECT) U1050.9(Y1)
SELECT_B: U325.114(SELECT) U390.114(SELECT) U455.114(SELECT) U520.114(SELECT) U1050.10(Y2)
SELECT_C: U585.114(SELECT) U650.114(SELECT) U715.114(SELECT) U780.114(SELECT) U1050.11(Y3)
SELECT_D: U845.114(SELECT) U910.114(SELECT) U975.114(SELECT) U1040.114(SELECT) U1050.12(Y4)
SR_A1TOA2: TP5.1 U65.118(SR_OUT) U130.117(SR_IN)
SR_A2TOA3: TP16.1 U130.118(SR_OUT) U195.117(SR_IN)
SR_A3TOA4: TP25.1 U195.118(SR_OUT) U260.117(SR_IN)
SR_B1TOB2: TP47.1 U325.118(SR_OUT) U390.117(SR_IN)
SR_B2TOB3: TP58.1 U390.118(SR_OUT) U455.117(SR_IN)
SR_B3TOB4: TP69.1 U455.118(SR_OUT) U520.117(SR_IN)
SR_C1TOC2: TP91.1 U585.118(SR_OUT) U650.117(SR_IN)
SR_C2TOC3: TP102.1 U650.118(SR_OUT) U715.117(SR_IN)
SR_C3TOC4: TP113.1 U715.118(SR_OUT) U780.117(SR_IN)
SR_CK_A: J35.B18 U65.116(SR_CK) U130.116(SR_CK) U195.116(SR_CK) U260.116(SR_CK)
SR_CK_B: J35.A3 U325.116(SR_CK) U390.116(SR_CK) U455.116(SR_CK) U520.116(SR_CK)
SR_CK_C: J34.B18 U585.116(SR_CK) U650.116(SR_CK) U715.116(SR_CK) U780.116(SR_CK)
SR_CK_D: J33.B26 U845.116(SR_CK) U910.116(SR_CK) U975.116(SR_CK) U1040.116(SR_CK)
SR_CK_E: J33.A11 R1344.2
SR_D1TOD2: TP137.1 U845.118(SR_OUT) U910.117(SR_IN)
SR_D2TOD3: TP146.1 U910.118(SR_OUT) U975.117(SR_IN)
SR_D3TOD4: TP157.1 U975.118(SR_OUT) U1040.117(SR_IN)
SR_IN_A: J35.A19 U65.117(SR_IN)
SR_IN_B: J35.B4 U325.117(SR_IN)
SR_IN_C: J34.A19 U585.117(SR_IN)
SR_IN_D: J33.A27 U845.117(SR_IN)
SR_IN_E: J33.B12 R1338.2
SR_OUT_A: J35.B20 TP36.1 U260.118(SR_OUT)
SR_OUT_B: J35.A5 TP80.1 U520.118(SR_OUT)
SR_OUT_C: J34.B20 TP126.1 U780.118(SR_OUT)
SR_OUT_D: J33.A29 TP170.1 U1040.118(SR_OUT)
SR_OUT_E: J33.A13 R1338.1
SR_RSTB_A: J35.A17 U65.115(SR_RSTB) U130.115(SR_RSTB) U195.115(SR_RSTB) U260.115(SR_RSTB)
SR_RSTB_B: J35.A1 U325.115(SR_RSTB) U390.115(SR_RSTB) U455.115(SR_RSTB) U520.115(SR_RSTB)
SR_RSTB_C: J34.A17 U585.115(SR_RSTB) U650.115(SR_RSTB) U715.115(SR_RSTB) U780.115(SR_RSTB)
SR_RSTB_D: J33.A25 U845.115(SR_RSTB) U910.115(SR_RSTB) U975.115(SR_RSTB) U1040.115(SR_RSTB)
SR_RSTB_E: J33.B10 R1343.2
STARTACQ_A: J35.A9 U65.92(START_ACQ) U130.92(START_ACQ) U195.92(START_ACQ) U260.92(START_ACQ)
STARTACQ_B: J34.A27 U325.92(START_ACQ) U390.92(START_ACQ) U455.92(START_ACQ) U520.92(START_ACQ)
STARTACQ_C: J33.A39 U585.92(START_ACQ) U650.92(START_ACQ) U715.92(START_ACQ) U780.92(START_ACQ)
STARTACQ_D: J33.A17 U845.92(START_ACQ) U910.92(START_ACQ) U975.92(START_ACQ) U1040.92(START_ACQ)
STARTACQ_E: J33.B2 R1342.2
STARTREADOUT1_A: J35.A15 TP3.1 U65.110(START_READOUT1)
STARTREADOUT1_B: J34.A35 TP45.1 U325.110(START_READOUT1)
STARTREADOUT1_C: J34.A15 TP89.1 U585.110(START_READOUT1)
STARTREADOUT1_D: J33.A23 TP135.1 U845.110(START_READOUT1)
STARTREADOUT1_E: J33.B8 R1339.2
STARTREADOUT2_A: J35.B16 U65.111(START_READOUT2)
STARTREADOUT2_B: J34.B36 U325.111(START_READOUT2)
STARTREADOUT2_C: J34.B16 U585.111(START_READOUT2)
STARTREADOUT2_D: J33.B24 U845.111(START_READOUT2)
STARTREADOUT2_E: J33.A9 R1340.2
T&H_A1: R2557.1 U1058.2(S1) U1078.1(OUT)
T&H_A2: R2559.1 U1058.9(S2) U1078.7(OUT)
T&H_A3: R2561.1 U1058.4(S3) U1078.8(OUT)
T&H_A4: R2563.1 U1058.7(S4) U1078.14(OUT)
T&H_B1: R2565.1 U1062.2(S1) U1079.1(OUT)
T&H_B2: R2567.1 U1062.9(S2) U1079.7(OUT)
T&H_B3: R2569.1 U1062.4(S3) U1079.8(OUT)
T&H_B4: R2571.1 U1062.7(S4) U1079.14(OUT)
T&H_C1: R2573.1 U1065.2(S1) U1080.1(OUT)
T&H_C2: R2575.1 U1065.9(S2) U1080.7(OUT)
T&H_C3: R2577.1 U1065.4(S3) U1080.8(OUT)
T&H_C4: R2579.1 U1065.7(S4) U1080.14(OUT)
T&H_D1: R2581.1 U1069.2(S1) U1081.1(OUT)
T&H_D2: R2583.1 U1069.9(S2) U1081.7(OUT)
T&H_D3: R2585.1 U1069.4(S3) U1081.8(OUT)
T&H_D4: R2587.1 U1069.7(S4) U1081.14(OUT)
TRANSMITON1B_A: J35.B12 R81.2 U65.106(TRANSMITON1B) U130.106(TRANSMITON1B) U195.106(TRANSMITON1B) U260.106(TRANSMITON1B)
TRANSMITON1B_B: J34.B32 R414.2 U325.106(TRANSMITON1B) U390.106(TRANSMITON1B) U455.106(TRANSMITON1B) U520.106(TRANSMITON1B)
TRANSMITON1B_C: J34.B12 R747.2 U585.106(TRANSMITON1B) U650.106(TRANSMITON1B) U715.106(TRANSMITON1B) U780.106(TRANSMITON1B)
TRANSMITON1B_D: J33.B20 R1080.2 U845.106(TRANSMITON1B) U910.106(TRANSMITON1B) U975.106(TRANSMITON1B) U1040.106(TRANSMITON1B)
TRANSMITON1B_E: J33.A5 R1335.1
TRANSMITON2B_A: J35.A13 R82.2 U65.107(TRANSMITON2B) U130.107(TRANSMITON2B) U195.107(TRANSMITON2B) U260.107(TRANSMITON2B)
TRANSMITON2B_B: J34.A33 R415.2 U325.107(TRANSMITON2B) U390.107(TRANSMITON2B) U455.107(TRANSMITON2B) U520.107(TRANSMITON2B)
TRANSMITON2B_C: J34.A13 R748.2 U585.107(TRANSMITON2B) U650.107(TRANSMITON2B) U715.107(TRANSMITON2B) U780.107(TRANSMITON2B)
TRANSMITON2B_D: J33.A21 R1081.2 U845.107(TRANSMITON2B) U910.107(TRANSMITON2B) U975.107(TRANSMITON2B) U1040.107(TRANSMITON2B)
TRANSMITON2B_E: J33.B6 R1336.1
TRIGEXT_A: J35.B8 U65.86(TRIG_EXT) U130.86(TRIG_EXT) U195.86(TRIG_EXT) U260.86(TRIG_EXT)
TRIGEXT_B: J34.A26 U325.86(TRIG_EXT) U390.86(TRIG_EXT) U455.86(TRIG_EXT) U520.86(TRIG_EXT)
TRIGEXT_C: J33.B38 U585.86(TRIG_EXT) U650.86(TRIG_EXT) U715.86(TRIG_EXT) U780.86(TRIG_EXT)
TRIGEXT_D: J33.B16 U845.86(TRIG_EXT) U910.86(TRIG_EXT) U975.86(TRIG_EXT) U1040.86(TRIG_EXT)
TRIGEXT_E: J33.A1 R1341.2
V_BG_ASIC_A1: C73.2 R67.2 U65.70(V_BG)
V_BG_ASIC_A2: C160.2 R151.2 U130.70(V_BG)
V_BG_ASIC_A3: C247.2 R234.2 U195.70(V_BG)
V_BG_ASIC_A4: C334.2 R317.2 U260.70(V_BG)
V_BG_ASIC_B1: C421.2 R400.2 U325.70(V_BG)
V_BG_ASIC_B5: C508.2 R484.2 U390.70(V_BG)
V_BG_ASIC_B6: C595.2 R567.2 U455.70(V_BG)
V_BG_ASIC_B7: C682.2 R650.2 U520.70(V_BG)
V_BG_ASIC_C1: C769.2 R733.2 U585.70(V_BG)
V_BG_ASIC_C2: C856.2 R817.2 U650.70(V_BG)
V_BG_ASIC_C3: C943.2 R900.2 U715.70(V_BG)
V_BG_ASIC_C4: C1030.2 R983.2 U780.70(V_BG)
V_BG_ASIC_D1: C1117.2 R1066.2 U845.70(V_BG)
V_BG_ASIC_D2: C1203.2 R1150.2 U910.70(V_BG)
V_BG_ASIC_D3: C1290.2 R1233.2 U975.70(V_BG)
V_BG_ASIC_D4: C1377.2 R1316.2 U1040.70(V_BG)
VAL_EVTN: J34.B2 U1054.7(DI-)
VAL_EVTN_A: R322.2 R2605.1 U65.94(VAL_EVTN) U130.94(VAL_EVTN) U195.94(VAL_EVTN) U260.94(VAL_EVTN)
VAL_EVTN_B: R655.2 R2613.1 U325.94(VAL_EVTN) U390.94(VAL_EVTN) U455.94(VAL_EVTN) U520.94(VAL_EVTN)
VAL_EVTN_C: R988.2 R2621.1 U585.94(VAL_EVTN) U650.94(VAL_EVTN) U715.94(VAL_EVTN) U780.94(VAL_EVTN)
VAL_EVTN_D: R1321.2 R2629.1 U845.94(VAL_EVTN) U910.94(VAL_EVTN) U975.94(VAL_EVTN) U1040.94(VAL_EVTN)
VAL_EVTP: J34.B1 U1054.6(DI+)
VAL_EVTP_A: R322.1 R2606.1 U65.93(VAL_EVTP) U130.93(VAL_EVTP) U195.93(VAL_EVTP) U260.93(VAL_EVTP)